# KiCad board first_keyboard.kicad_pcb (continued)
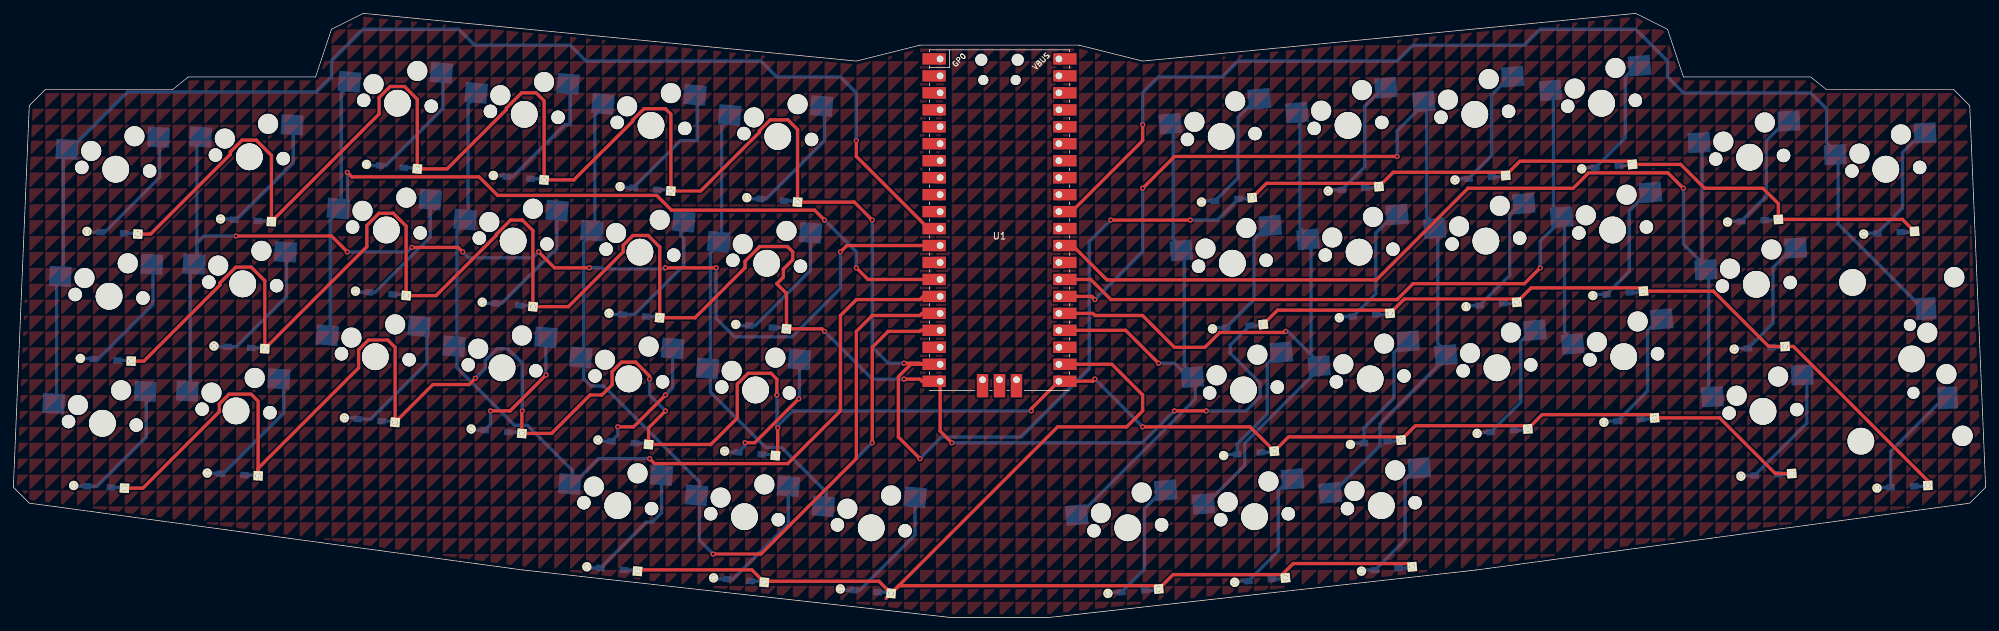
[diagram p0: board, top side]
## Copper pours and planes (outline as drawn; the poured copper is in the pictures) (continued)
(no net) on Top, Bottom: 252.41,-19.05 252.41,-21.43 254.79,-19.05
(no net) on Top, Bottom: 221.46,66.68 221.46,64.29 223.84,66.68
(no net) on Top, Bottom: 154.78,133.35 154.78,130.97 157.16,133.35
(no net) on Top, Bottom: 245.27,7.14 245.27,4.76 247.65,7.14
(no net) on Top, Bottom: 259.56,142.88 259.56,140.49 261.94,142.88
(no net) on Top, Bottom: 154.78,66.68 154.78,64.29 157.16,66.68
(no net) on Top, Bottom: 135.73,128.59 135.73,126.21 138.11,128.59
(no net) on Top, Bottom: 209.55,-26.19 209.55,-28.57 211.93,-26.19
(no net) on Top, Bottom: 166.69,-4.76 166.69,-7.14 169.07,-4.76
(no net) on Top, Bottom: 40.48,26.19 40.48,23.81 42.86,26.19
(no net) on Top, Bottom: 188.12,7.14 188.12,4.76 190.5,7.14
(no net) on Top, Bottom: 154.78,138.11 154.78,135.73 157.16,138.11
(no net) on Top, Bottom: 147.64,121.44 147.64,119.06 150.02,121.44
(no net) on Top, Bottom: 264.32,-11.91 264.32,-14.29 266.7,-11.91
(no net) on Top, Bottom: 140.49,19.05 140.49,16.67 142.88,19.05
(no net) on Top, Bottom: 78.58,-7.14 78.58,-9.53 80.96,-7.14
(no net) on Top, Bottom: 221.46,-26.19 221.46,-28.57 223.84,-26.19
(no net) on Top, Bottom: 247.65,83.34 247.65,80.96 250.03,83.34
(no net) on Top, Bottom: 85.73,26.19 85.73,23.81 88.11,26.19
(no net) on Top, Bottom: 90.49,-19.05 90.49,-21.43 92.87,-19.05
(no net) on Top, Bottom: 133.35,-14.29 133.35,-16.67 135.73,-14.29
(no net) on Top, Bottom: 180.98,135.73 180.98,133.35 183.36,135.73
(no net) on Top, Bottom: 242.89,69.06 242.89,66.68 245.27,69.06
(no net) on Top, Bottom: 247.65,66.68 247.65,64.29 250.03,66.68
(no net) on Top, Bottom: 52.39,140.49 52.39,138.11 54.77,140.49
(no net) on Top, Bottom: 116.68,54.77 116.68,52.39 119.06,54.77
(no net) on Top, Bottom: 102.39,73.82 102.39,71.44 104.77,73.82
(no net) on Top, Bottom: 197.64,59.53 197.64,57.15 200.02,59.53
(no net) on Top, Bottom: 297.66,130.97 297.66,128.59 300.04,130.97
(no net) on Top, Bottom: 176.21,-2.38 176.21,-4.76 178.59,-2.38
(no net) on Top, Bottom: 133.35,97.63 133.35,95.25 135.73,97.63
(no net) on Top, Bottom: 14.29,4.76 14.29,2.38 16.67,4.76
(no net) on Top, Bottom: 50.01,83.34 50.01,80.96 52.39,83.34
(no net) on Top, Bottom: 280.99,7.14 280.99,4.76 283.37,7.14
(no net) on Top, Bottom: 221.46,35.72 221.46,33.34 223.84,35.72
(no net) on Top, Bottom: 178.59,-2.38 178.59,-4.76 180.98,-2.38
(no net) on Top, Bottom: 159.54,109.54 159.54,107.16 161.93,109.54
(no net) on Top, Bottom: 64.29,-19.05 64.29,-21.43 66.67,-19.05
(no net) on Top, Bottom: 180.98,57.15 180.98,54.77 183.36,57.15
(no net) on Top, Bottom: 90.49,-28.57 90.49,-30.96 92.87,-28.57
(no net) on Top, Bottom: 183.36,42.86 183.36,40.48 185.74,42.86
(no net) on Top, Bottom: 61.91,4.76 61.91,2.38 64.29,4.76
(no net) on Top, Bottom: 97.63,147.64 97.63,145.26 100.01,147.64
(no net) on Top, Bottom: 111.92,78.58 111.92,76.2 114.3,78.58
(no net) on Top, Bottom: 42.86,47.62 42.86,45.24 45.24,47.62
(no net) on Top, Bottom: 109.54,21.43 109.54,19.05 111.92,21.43
(no net) on Top, Bottom: 278.61,-11.91 278.61,-14.29 280.99,-11.91
(no net) on Top, Bottom: 157.16,73.82 157.16,71.44 159.54,73.82
(no net) on Top, Bottom: 119.06,52.39 119.06,50.01 121.44,52.39
(no net) on Top, Bottom: 257.18,30.96 257.18,28.57 259.56,30.96
(no net) on Top, Bottom: 64.29,88.11 64.29,85.72 66.67,88.11
(no net) on Top, Bottom: 219.07,92.87 219.07,90.49 221.46,92.87
(no net) on Top, Bottom: 152.4,-9.53 152.4,-11.91 154.78,-9.53
(no net) on Top, Bottom: 257.18,85.72 257.18,83.34 259.56,85.72
(no net) on Top, Bottom: 238.12,123.83 238.12,121.44 240.51,123.83
(no net) on Top, Bottom: 85.73,142.88 85.73,140.49 88.11,142.88
(no net) on Top, Bottom: 261.94,111.92 261.94,109.54 264.32,111.92
(no net) on Top, Bottom: 278.61,-35.72 278.61,-38.1 280.99,-35.72
(no net) on Top, Bottom: 0,95.25 0,92.87 2.38,95.25
(no net) on Top, Bottom: 92.87,145.26 92.87,142.88 95.25,145.26
(no net) on Top, Bottom: 4.76,54.77 4.76,52.39 7.14,54.77
(no net) on Top, Bottom: 130.97,128.59 130.97,126.21 133.35,128.59
(no net) on Top, Bottom: 259.56,45.24 259.56,42.86 261.94,45.24
(no net) on Top, Bottom: 102.39,-21.43 102.39,-23.81 104.77,-21.43
(no net) on Top, Bottom: 147.64,23.81 147.64,21.43 150.02,23.81
(no net) on Top, Bottom: 214.31,61.91 214.31,59.53 216.69,61.91
(no net) on Top, Bottom: 52.39,-30.96 52.39,-33.34 54.77,-30.96
(no net) on Top, Bottom: 235.74,135.73 235.74,133.35 238.12,135.73
(no net) on Top, Bottom: 152.4,138.11 152.4,135.73 154.78,138.11
(no net) on Top, Bottom: 50.01,80.96 50.01,78.58 52.39,80.96
(no net) on Top, Bottom: 180.98,-26.19 180.98,-28.57 183.36,-26.19
(no net) on Top, Bottom: 16.67,71.44 16.67,69.06 19.05,71.44
(no net) on Top, Bottom: 52.39,19.05 52.39,16.67 54.77,19.05
(no net) on Top, Bottom: 204.79,28.57 204.79,26.19 207.17,28.57
(no net) on Top, Bottom: 19.05,97.63 19.05,95.25 21.43,97.63
(no net) on Top, Bottom: 21.43,92.87 21.43,90.49 23.81,92.87
(no net) on Top, Bottom: 102.39,-2.38 102.39,-4.76 104.77,-2.38
(no net) on Top, Bottom: 45.24,142.88 45.24,140.49 47.62,142.88
(no net) on Top, Bottom: 276.22,140.49 276.22,138.11 278.61,140.49
(no net) on Top, Bottom: 73.82,133.35 73.82,130.97 76.2,133.35
(no net) on Top, Bottom: 73.82,69.06 73.82,66.68 76.2,69.06
(no net) on Top, Bottom: 202.41,90.49 202.41,88.11 204.79,90.49
(no net) on Top, Bottom: 111.92,40.48 111.92,38.1 114.3,40.48
(no net) on Top, Bottom: 47.62,2.38 47.62,0 50.01,2.38
(no net) on Top, Bottom: 266.7,138.11 266.7,135.73 269.08,138.11
(no net) on Top, Bottom: 233.36,116.68 233.36,114.3 235.74,116.68
(no net) on Top, Bottom: 278.61,-21.43 278.61,-23.81 280.99,-21.43
(no net) on Top, Bottom: 235.74,38.1 235.74,35.72 238.12,38.1
(no net) on Top, Bottom: 254.79,90.49 254.79,88.11 257.18,90.49
(no net) on Top, Bottom: 192.88,100.01 192.88,97.63 195.26,100.01
(no net) on Top, Bottom: 83.34,-23.81 83.34,-26.19 85.73,-23.81
(no net) on Top, Bottom: 178.59,9.53 178.59,7.14 180.98,9.53
(no net) on Top, Bottom: 300.04,135.73 300.04,133.35 302.42,135.73
(no net) on Top, Bottom: 247.65,69.06 247.65,66.68 250.03,69.06
(no net) on Top, Bottom: 47.62,50.01 47.62,47.62 50.01,50.01
(no net) on Top, Bottom: 121.44,2.38 121.44,0 123.83,2.38
(no net) on Top, Bottom: 304.8,71.44 304.8,69.06 307.18,71.44
(no net) on Top, Bottom: 28.58,52.39 28.58,50.01 30.96,52.39
(no net) on Top, Bottom: 207.17,119.06 207.17,116.68 209.55,119.06
(no net) on Top, Bottom: 257.18,-21.43 257.18,-23.81 259.56,-21.43
(no net) on Top, Bottom: 14.29,-19.05 14.29,-21.43 16.67,-19.05
(no net) on Top, Bottom: 150.02,-16.67 150.02,-19.05 152.4,-16.67
(no net) on Top, Bottom: 104.77,90.49 104.77,88.11 107.16,90.49
(no net) on Top, Bottom: 252.41,54.77 252.41,52.39 254.79,54.77
(no net) on Top, Bottom: 78.58,128.59 78.58,126.21 80.96,128.59
(no net) on Top, Bottom: 90.49,114.3 90.49,111.92 92.87,114.3
(no net) on Top, Bottom: 178.59,126.21 178.59,123.83 180.98,126.21
(no net) on Top, Bottom: 300.04,130.97 300.04,128.59 302.42,130.97
(no net) on Top, Bottom: 204.79,-35.72 204.79,-38.1 207.17,-35.72
(no net) on Top, Bottom: 152.4,59.53 152.4,57.15 154.78,59.53
(no net) on Top, Bottom: 245.27,21.43 245.27,19.05 247.65,21.43
(no net) on Top, Bottom: 145.26,-26.19 145.26,-28.57 147.64,-26.19
(no net) on Top, Bottom: 259.56,107.16 259.56,104.78 261.94,107.16
(no net) on Top, Bottom: 188.12,64.29 188.12,61.91 190.5,64.29
(no net) on Top, Bottom: 80.96,38.1 80.96,35.72 83.34,38.1
(no net) on Top, Bottom: 123.83,50.01 123.83,47.62 126.21,50.01
(no net) on Top, Bottom: 280.99,40.48 280.99,38.1 283.37,40.48
(no net) on Top, Bottom: 104.77,150.02 104.77,147.64 107.16,150.02
(no net) on Top, Bottom: 76.2,33.34 76.2,30.96 78.58,33.34
(no net) on Top, Bottom: 159.54,7.14 159.54,4.76 161.93,7.14
(no net) on Top, Bottom: 16.67,2.38 16.67,0 19.05,2.38
(no net) on Top, Bottom: 69.06,2.38 69.06,0 71.44,2.38
(no net) on Top, Bottom: 95.25,97.63 95.25,95.25 97.63,97.63
(no net) on Top, Bottom: 11.91,-30.96 11.91,-33.34 14.29,-30.96
(no net) on Top, Bottom: 23.81,90.49 23.81,88.11 26.19,90.49
(no net) on Top, Bottom: 119.06,121.44 119.06,119.06 121.44,121.44
(no net) on Top, Bottom: 38.1,2.38 38.1,0 40.48,2.38
(no net) on Top, Bottom: 104.77,23.81 104.77,21.43 107.16,23.81
(no net) on Top, Bottom: 290.51,114.3 290.51,111.92 292.89,114.3
(no net) on Top, Bottom: 83.34,42.86 83.34,40.48 85.73,42.86
(no net) on Top, Bottom: 233.36,38.1 233.36,35.72 235.74,38.1
(no net) on Top, Bottom: 52.39,42.86 52.39,40.48 54.77,42.86
(no net) on Top, Bottom: 228.6,121.44 228.6,119.06 230.98,121.44
(no net) on Top, Bottom: 154.78,126.21 154.78,123.83 157.16,126.21
(no net) on Top, Bottom: 197.64,114.3 197.64,111.92 200.02,114.3
(no net) on Top, Bottom: 264.32,128.59 264.32,126.21 266.7,128.59
(no net) on Top, Bottom: 0,-11.91 0,-14.29 2.38,-11.91
(no net) on Top, Bottom: 38.1,64.29 38.1,61.91 40.48,64.29
(no net) on Top, Bottom: 223.84,-26.19 223.84,-28.57 226.22,-26.19
(no net) on Top, Bottom: 95.25,140.49 95.25,138.11 97.63,140.49
(no net) on Top, Bottom: 226.22,71.44 226.22,69.06 228.6,71.44
(no net) on Top, Bottom: 26.19,69.06 26.19,66.68 28.58,69.06
(no net) on Top, Bottom: 209.55,145.26 209.55,142.88 211.93,145.26
(no net) on Top, Bottom: 71.44,130.97 71.44,128.59 73.82,130.97
(no net) on Top, Bottom: 204.79,19.05 204.79,16.67 207.17,19.05
(no net) on Top, Bottom: 280.99,85.72 280.99,83.34 283.37,85.72
(no net) on Top, Bottom: 71.44,109.54 71.44,107.16 73.82,109.54
(no net) on Top, Bottom: 128.59,-2.38 128.59,-4.76 130.97,-2.38
(no net) on Top, Bottom: 73.82,150.02 73.82,147.64 76.2,150.02
(no net) on Top, Bottom: 273.84,4.76 273.84,2.38 276.22,4.76
(no net) on Top, Bottom: 219.07,-21.43 219.07,-23.81 221.46,-21.43
(no net) on Top, Bottom: 173.83,33.34 173.83,30.96 176.21,33.34
(no net) on Top, Bottom: 130.97,21.43 130.97,19.05 133.35,21.43
(no net) on Top, Bottom: 283.37,-28.57 283.37,-30.96 285.75,-28.57
(no net) on Top, Bottom: 245.27,123.83 245.27,121.44 247.65,123.83
(no net) on Top, Bottom: 223.84,33.34 223.84,30.96 226.22,33.34
(no net) on Top, Bottom: 52.39,50.01 52.39,47.62 54.77,50.01
(no net) on Top, Bottom: 283.37,114.3 283.37,111.92 285.75,114.3
(no net) on Top, Bottom: 107.16,40.48 107.16,38.1 109.54,40.48
(no net) on Top, Bottom: 171.45,100.01 171.45,97.63 173.83,100.01
(no net) on Top, Bottom: 252.41,26.19 252.41,23.81 254.79,26.19
(no net) on Top, Bottom: 133.35,2.38 133.35,0 135.73,2.38
(no net) on Top, Bottom: 102.39,123.83 102.39,121.44 104.77,123.83
(no net) on Top, Bottom: 119.06,0 119.06,-2.38 121.44,0
(no net) on Top, Bottom: 219.07,11.91 219.07,9.53 221.46,11.91
(no net) on Top, Bottom: 176.21,-35.72 176.21,-38.1 178.59,-35.72
(no net) on Top, Bottom: 288.13,-35.72 288.13,-38.1 290.51,-35.72
(no net) on Top, Bottom: 4.76,-7.14 4.76,-9.53 7.14,-7.14
(no net) on Top, Bottom: 23.81,-21.43 23.81,-23.81 26.19,-21.43
(no net) on Top, Bottom: 71.44,107.16 71.44,104.78 73.82,107.16
(no net) on Top, Bottom: 238.12,135.73 238.12,133.35 240.51,135.73
(no net) on Top, Bottom: 116.68,42.86 116.68,40.48 119.06,42.86
(no net) on Top, Bottom: 247.65,42.86 247.65,40.48 250.03,42.86
(no net) on Top, Bottom: 0,71.44 0,69.06 2.38,71.44
(no net) on Top, Bottom: 302.42,19.05 302.42,16.67 304.8,19.05
(no net) on Top, Bottom: 154.78,116.68 154.78,114.3 157.16,116.68
(no net) on Top, Bottom: 233.36,11.91 233.36,9.53 235.74,11.91
(no net) on Top, Bottom: 280.99,100.01 280.99,97.63 283.37,100.01
(no net) on Top, Bottom: 209.55,9.53 209.55,7.14 211.93,9.53
(no net) on Top, Bottom: 61.91,150.02 61.91,147.64 64.29,150.02
(no net) on Top, Bottom: 292.89,-35.72 292.89,-38.1 295.27,-35.72
(no net) on Top, Bottom: 171.45,119.06 171.45,116.68 173.83,119.06
(no net) on Top, Bottom: 288.13,142.88 288.13,140.49 290.51,142.88
(no net) on Top, Bottom: 259.56,90.49 259.56,88.11 261.94,90.49
(no net) on Top, Bottom: 223.84,54.77 223.84,52.39 226.22,54.77
(no net) on Top, Bottom: 85.73,133.35 85.73,130.97 88.11,133.35
(no net) on Top, Bottom: 102.39,33.34 102.39,30.96 104.77,33.34
(no net) on Top, Bottom: 223.84,109.54 223.84,107.16 226.22,109.54
(no net) on Top, Bottom: 90.49,147.64 90.49,145.26 92.87,147.64
(no net) on Top, Bottom: 295.27,16.67 295.27,14.29 297.66,16.67
(no net) on Top, Bottom: 192.88,57.15 192.88,54.77 195.26,57.15
(no net) on Top, Bottom: 292.89,4.76 292.89,2.38 295.27,4.76
(no net) on Top, Bottom: 54.77,100.01 54.77,97.63 57.15,100.01
(no net) on Top, Bottom: 233.36,73.82 233.36,71.44 235.74,73.82
(no net) on Top, Bottom: 214.31,59.53 214.31,57.15 216.69,59.53
(no net) on Top, Bottom: 2.38,11.91 2.38,9.53 4.76,11.91
(no net) on Top, Bottom: 2.38,-16.67 2.38,-19.05 4.76,-16.67
(no net) on Top, Bottom: 285.75,126.21 285.75,123.83 288.13,126.21
(no net) on Top, Bottom: 111.92,135.73 111.92,133.35 114.3,135.73
(no net) on Top, Bottom: 266.7,19.05 266.7,16.67 269.08,19.05
(no net) on Top, Bottom: 42.86,-4.76 42.86,-7.14 45.24,-4.76
(no net) on Top, Bottom: 161.93,0 161.93,-2.38 164.31,0
(no net) on Top, Bottom: 142.88,128.59 142.88,126.21 145.26,128.59
(no net) on Top, Bottom: 204.79,88.11 204.79,85.72 207.17,88.11
(no net) on Top, Bottom: 200.02,85.72 200.02,83.34 202.41,85.72
(no net) on Top, Bottom: 259.56,147.64 259.56,145.26 261.94,147.64
(no net) on Top, Bottom: 188.12,92.87 188.12,90.49 190.5,92.87
(no net) on Top, Bottom: 11.91,-16.67 11.91,-19.05 14.29,-16.67
(no net) on Top, Bottom: 233.36,-38.1 233.36,-40.48 235.74,-38.1
(no net) on Top, Bottom: 266.7,80.96 266.7,78.58 269.08,80.96
(no net) on Top, Bottom: 28.58,26.19 28.58,23.81 30.96,26.19
(no net) on Top, Bottom: 28.58,-11.91 28.58,-14.29 30.96,-11.91
(no net) on Top, Bottom: 257.18,11.91 257.18,9.53 259.56,11.91
(no net) on Top, Bottom: 57.15,30.96 57.15,28.57 59.53,30.96
(no net) on Top, Bottom: 76.2,121.44 76.2,119.06 78.58,121.44
(no net) on Top, Bottom: 0,-14.29 0,-16.67 2.38,-14.29
(no net) on Top, Bottom: 288.13,-4.76 288.13,-7.14 290.51,-4.76
(no net) on Top, Bottom: 109.54,16.67 109.54,14.29 111.92,16.67
(no net) on Top, Bottom: 240.51,147.64 240.51,145.26 242.89,147.64
(no net) on Top, Bottom: 247.65,11.91 247.65,9.53 250.03,11.91
(no net) on Top, Bottom: 35.72,-35.72 35.72,-38.1 38.1,-35.72
(no net) on Top, Bottom: 45.24,64.29 45.24,61.91 47.62,64.29
(no net) on Top, Bottom: 169.07,92.87 169.07,90.49 171.45,92.87
(no net) on Top, Bottom: 211.93,14.29 211.93,11.91 214.31,14.29
(no net) on Top, Bottom: 92.87,7.14 92.87,4.76 95.25,7.14
(no net) on Top, Bottom: 104.77,-19.05 104.77,-21.43 107.16,-19.05
(no net) on Top, Bottom: 264.32,111.92 264.32,109.54 266.7,111.92
(no net) on Top, Bottom: 130.97,64.29 130.97,61.91 133.35,64.29
(no net) on Top, Bottom: 59.53,114.3 59.53,111.92 61.91,114.3
(no net) on Top, Bottom: 290.51,142.88 290.51,140.49 292.89,142.88
(no net) on Top, Bottom: 161.93,76.2 161.93,73.82 164.31,76.2
(no net) on Top, Bottom: 233.36,80.96 233.36,78.58 235.74,80.96
(no net) on Top, Bottom: 211.93,59.53 211.93,57.15 214.31,59.53
(no net) on Top, Bottom: 273.84,42.86 273.84,40.48 276.22,42.86
(no net) on Top, Bottom: 235.74,7.14 235.74,4.76 238.12,7.14
(no net) on Top, Bottom: 28.58,114.3 28.58,111.92 30.96,114.3
(no net) on Top, Bottom: 66.67,92.87 66.67,90.49 69.06,92.87
(no net) on Top, Bottom: 76.2,-30.96 76.2,-33.34 78.58,-30.96
(no net) on Top, Bottom: 23.81,111.92 23.81,109.54 26.19,111.92
(no net) on Top, Bottom: 159.54,135.73 159.54,133.35 161.93,135.73
(no net) on Top, Bottom: 35.72,45.24 35.72,42.86 38.1,45.24
(no net) on Top, Bottom: 159.54,47.62 159.54,45.24 161.93,47.62
(no net) on Top, Bottom: 133.35,14.29 133.35,11.91 135.73,14.29
(no net) on Top, Bottom: 250.03,54.77 250.03,52.39 252.41,54.77
(no net) on Top, Bottom: 19.05,7.14 19.05,4.76 21.43,7.14
(no net) on Top, Bottom: 47.62,-28.57 47.62,-30.96 50.01,-28.57
(no net) on Top, Bottom: 235.74,126.21 235.74,123.83 238.12,126.21
(no net) on Top, Bottom: 128.59,-16.67 128.59,-19.05 130.97,-16.67
(no net) on Top, Bottom: 145.26,30.96 145.26,28.57 147.64,30.96
(no net) on Top, Bottom: 90.49,102.39 90.49,100.01 92.87,102.39
(no net) on Top, Bottom: 233.36,0 233.36,-2.38 235.74,0
(no net) on Top, Bottom: 257.18,69.06 257.18,66.68 259.56,69.06
(no net) on Top, Bottom: 238.12,85.72 238.12,83.34 240.51,85.72
(no net) on Top, Bottom: 23.81,61.91 23.81,59.53 26.19,61.91
(no net) on Top, Bottom: 297.66,54.77 297.66,52.39 300.04,54.77
(no net) on Top, Bottom: 171.45,28.57 171.45,26.19 173.83,28.57
(no net) on Top, Bottom: 304.8,-14.29 304.8,-16.67 307.18,-14.29
(no net) on Top, Bottom: 35.72,16.67 35.72,14.29 38.1,16.67
(no net) on Top, Bottom: 64.29,21.43 64.29,19.05 66.67,21.43
(no net) on Top, Bottom: 85.73,57.15 85.73,54.77 88.11,57.15
(no net) on Top, Bottom: 178.59,-35.72 178.59,-38.1 180.98,-35.72
(no net) on Top, Bottom: 161.93,-23.81 161.93,-26.19 164.31,-23.81
(no net) on Top, Bottom: 245.27,73.82 245.27,71.44 247.65,73.82
(no net) on Top, Bottom: 50.01,38.1 50.01,35.72 52.39,38.1
(no net) on Top, Bottom: 273.84,45.24 273.84,42.86 276.22,45.24
(no net) on Top, Bottom: 233.36,123.83 233.36,121.44 235.74,123.83
(no net) on Top, Bottom: 42.86,-16.67 42.86,-19.05 45.24,-16.67
(no net) on Top, Bottom: 211.93,61.91 211.93,59.53 214.31,61.91
(no net) on Top, Bottom: 266.7,61.91 266.7,59.53 269.08,61.91
(no net) on Top, Bottom: 261.94,128.59 261.94,126.21 264.32,128.59
(no net) on Top, Bottom: 116.68,-2.38 116.68,-4.76 119.06,-2.38
(no net) on Top, Bottom: 142.88,107.16 142.88,104.78 145.26,107.16
(no net) on Top, Bottom: 300.04,80.96 300.04,78.58 302.42,80.96
(no net) on Top, Bottom: 226.22,11.91 226.22,9.53 228.6,11.91
(no net) on Top, Bottom: 83.34,21.43 83.34,19.05 85.73,21.43
(no net) on Top, Bottom: 235.74,-23.81 235.74,-26.19 238.12,-23.81
(no net) on Top, Bottom: 245.27,40.48 245.27,38.1 247.65,40.48
(no net) on Top, Bottom: 209.55,95.25 209.55,92.87 211.93,95.25
(no net) on Top, Bottom: 185.74,111.92 185.74,109.54 188.12,111.92
(no net) on Top, Bottom: 109.54,97.63 109.54,95.25 111.92,97.63
(no net) on Top, Bottom: 240.51,23.81 240.51,21.43 242.89,23.81
(no net) on Top, Bottom: 128.59,92.87 128.59,90.49 130.97,92.87
(no net) on Top, Bottom: 50.01,0 50.01,-2.38 52.39,0
(no net) on Top, Bottom: 302.42,59.53 302.42,57.15 304.8,59.53
(no net) on Top, Bottom: 202.41,52.39 202.41,50.01 204.79,52.39
(no net) on Top, Bottom: 285.75,-11.91 285.75,-14.29 288.13,-11.91
(no net) on Top, Bottom: 57.15,42.86 57.15,40.48 59.53,42.86
(no net) on Top, Bottom: 166.69,128.59 166.69,126.21 169.07,128.59
(no net) on Top, Bottom: 121.44,78.58 121.44,76.2 123.83,78.58
(no net) on Top, Bottom: 247.65,57.15 247.65,54.77 250.03,57.15
(no net) on Top, Bottom: 142.88,2.38 142.88,0 145.26,2.38
(no net) on Top, Bottom: 140.49,102.39 140.49,100.01 142.88,102.39
(no net) on Top, Bottom: 150.02,57.15 150.02,54.77 152.4,57.15
(no net) on Top, Bottom: 100.01,-16.67 100.01,-19.05 102.39,-16.67
(no net) on Top, Bottom: 30.96,-19.05 30.96,-21.43 33.34,-19.05
(no net) on Top, Bottom: 235.74,-19.05 235.74,-21.43 238.12,-19.05
(no net) on Top, Bottom: 257.18,-26.19 257.18,-28.57 259.56,-26.19
(no net) on Top, Bottom: 0,38.1 0,35.72 2.38,38.1
(no net) on Top, Bottom: 59.53,107.16 59.53,104.78 61.91,107.16
(no net) on Top, Bottom: 161.93,-21.43 161.93,-23.81 164.31,-21.43
(no net) on Top, Bottom: 200.02,14.29 200.02,11.91 202.41,14.29
(no net) on Top, Bottom: 83.34,-4.76 83.34,-7.14 85.73,-4.76
(no net) on Top, Bottom: 278.61,123.83 278.61,121.44 280.99,123.83
(no net) on Top, Bottom: 50.01,61.91 50.01,59.53 52.39,61.91
(no net) on Top, Bottom: 123.83,38.1 123.83,35.72 126.21,38.1
(no net) on Top, Bottom: 76.2,100.01 76.2,97.63 78.58,100.01
(no net) on Top, Bottom: 121.44,150.02 121.44,147.64 123.83,150.02
(no net) on Top, Bottom: 271.46,21.43 271.46,19.05 273.84,21.43
(no net) on Top, Bottom: 28.58,4.76 28.58,2.38 30.96,4.76
(no net) on Top, Bottom: 204.79,102.39 204.79,100.01 207.17,102.39
(no net) on Top, Bottom: 195.26,76.2 195.26,73.82 197.64,76.2
(no net) on Top, Bottom: 66.67,140.49 66.67,138.11 69.06,140.49
(no net) on Top, Bottom: 226.22,35.72 226.22,33.34 228.6,35.72
(no net) on Top, Bottom: 214.31,123.83 214.31,121.44 216.69,123.83
(no net) on Top, Bottom: 111.92,-21.43 111.92,-23.81 114.3,-21.43
(no net) on Top, Bottom: 78.58,-2.38 78.58,-4.76 80.96,-2.38
(no net) on Top, Bottom: 121.44,147.64 121.44,145.26 123.83,147.64
(no net) on Top, Bottom: 102.39,126.21 102.39,123.83 104.77,126.21
(no net) on Top, Bottom: 207.17,7.14 207.17,4.76 209.55,7.14
(no net) on Top, Bottom: 261.94,83.34 261.94,80.96 264.32,83.34
(no net) on Top, Bottom: 142.88,83.34 142.88,80.96 145.26,83.34
(no net) on Top, Bottom: 61.91,76.2 61.91,73.82 64.29,76.2
(no net) on Top, Bottom: 211.93,80.96 211.93,78.58 214.31,80.96
(no net) on Top, Bottom: 80.96,95.25 80.96,92.87 83.34,95.25
(no net) on Top, Bottom: 159.54,26.19 159.54,23.81 161.93,26.19
(no net) on Top, Bottom: 71.44,85.72 71.44,83.34 73.82,85.72
(no net) on Top, Bottom: 14.29,100.01 14.29,97.63 16.67,100.01
(no net) on Top, Bottom: 38.1,107.16 38.1,104.78 40.48,107.16
(no net) on Top, Bottom: 47.62,-11.91 47.62,-14.29 50.01,-11.91
(no net) on Top, Bottom: 26.19,71.44 26.19,69.06 28.58,71.44
(no net) on Top, Bottom: 276.22,26.19 276.22,23.81 278.61,26.19
(no net) on Top, Bottom: 150.02,102.39 150.02,100.01 152.4,102.39
(no net) on Top, Bottom: 304.8,85.72 304.8,83.34 307.18,85.72
(no net) on Top, Bottom: 278.61,-9.53 278.61,-11.91 280.99,-9.53
(no net) on Top, Bottom: 183.36,-28.57 183.36,-30.96 185.74,-28.57
(no net) on Top, Bottom: 76.2,130.97 76.2,128.59 78.58,130.97
(no net) on Top, Bottom: 297.66,73.82 297.66,71.44 300.04,73.82
(no net) on Top, Bottom: 157.16,114.3 157.16,111.92 159.54,114.3
(no net) on Top, Bottom: 9.53,-2.38 9.53,-4.76 11.91,-2.38
(no net) on Top, Bottom: 26.19,-33.34 26.19,-35.72 28.58,-33.34
(no net) on Top, Bottom: 269.08,85.72 269.08,83.34 271.46,85.72
(no net) on Top, Bottom: 180.98,-4.76 180.98,-7.14 183.36,-4.76
(no net) on Top, Bottom: 285.75,145.26 285.75,142.88 288.13,145.26
(no net) on Top, Bottom: 11.91,78.58 11.91,76.2 14.29,78.58
(no net) on Top, Bottom: 285.75,-38.1 285.75,-40.48 288.13,-38.1
(no net) on Top, Bottom: 295.27,42.86 295.27,40.48 297.66,42.86
(no net) on Top, Bottom: 230.98,104.78 230.98,102.39 233.36,104.78
(no net) on Top, Bottom: 195.26,21.43 195.26,19.05 197.64,21.43
(no net) on Top, Bottom: 111.92,-4.76 111.92,-7.14 114.3,-4.76
(no net) on Top, Bottom: 240.51,-7.14 240.51,-9.53 242.89,-7.14
(no net) on Top, Bottom: 78.58,97.63 78.58,95.25 80.96,97.63
(no net) on Top, Bottom: 90.49,-38.1 90.49,-40.48 92.87,-38.1
(no net) on Top, Bottom: 228.6,114.3 228.6,111.92 230.98,114.3
(no net) on Top, Bottom: 195.26,-30.96 195.26,-33.34 197.64,-30.96
(no net) on Top, Bottom: 190.5,59.53 190.5,57.15 192.88,59.53
(no net) on Top, Bottom: 147.64,-33.34 147.64,-35.72 150.02,-33.34
(no net) on Top, Bottom: 133.35,28.57 133.35,26.19 135.73,28.57
(no net) on Top, Bottom: 235.74,26.19 235.74,23.81 238.12,26.19
(no net) on Top, Bottom: 302.42,92.87 302.42,90.49 304.8,92.87
(no net) on Top, Bottom: 285.75,30.96 285.75,28.57 288.13,30.96
(no net) on Top, Bottom: 30.96,126.21 30.96,123.83 33.34,126.21
(no net) on Top, Bottom: 254.79,107.16 254.79,104.78 257.18,107.16
(no net) on Top, Bottom: 52.39,73.82 52.39,71.44 54.77,73.82
(no net) on Top, Bottom: 200.02,19.05 200.02,16.67 202.41,19.05
(no net) on Top, Bottom: 47.62,7.14 47.62,4.76 50.01,7.14
(no net) on Top, Bottom: 252.41,92.87 252.41,90.49 254.79,92.87
(no net) on Top, Bottom: 188.12,-14.29 188.12,-16.67 190.5,-14.29
(no net) on Top, Bottom: 100.01,126.21 100.01,123.83 102.39,126.21
(no net) on Top, Bottom: 52.39,47.62 52.39,45.24 54.77,47.62
(no net) on Top, Bottom: 133.35,-11.91 133.35,-14.29 135.73,-11.91
(no net) on Top, Bottom: 166.69,109.54 166.69,107.16 169.07,109.54
(no net) on Top, Bottom: 90.49,83.34 90.49,80.96 92.87,83.34
(no net) on Top, Bottom: 30.96,26.19 30.96,23.81 33.34,26.19
(no net) on Top, Bottom: 28.58,-35.72 28.58,-38.1 30.96,-35.72
(no net) on Top, Bottom: 261.94,40.48 261.94,38.1 264.32,40.48
(no net) on Top, Bottom: 264.32,73.82 264.32,71.44 266.7,73.82
(no net) on Top, Bottom: 78.58,95.25 78.58,92.87 80.96,95.25
(no net) on Top, Bottom: 40.48,0 40.48,-2.38 42.86,0
(no net) on Top, Bottom: 159.54,147.64 159.54,145.26 161.93,147.64
(no net) on Top, Bottom: 185.74,28.57 185.74,26.19 188.12,28.57
(no net) on Top, Bottom: 154.78,119.06 154.78,116.68 157.16,119.06
(no net) on Top, Bottom: 152.4,116.68 152.4,114.3 154.78,116.68
(no net) on Top, Bottom: 257.18,21.43 257.18,19.05 259.56,21.43
(no net) on Top, Bottom: 111.92,142.88 111.92,140.49 114.3,142.88
(no net) on Top, Bottom: 169.07,-4.76 169.07,-7.14 171.45,-4.76
(no net) on Top, Bottom: 42.86,-23.81 42.86,-26.19 45.24,-23.81
(no net) on Top, Bottom: 90.49,111.92 90.49,109.54 92.87,111.92
(no net) on Top, Bottom: 269.08,-35.72 269.08,-38.1 271.46,-35.72
(no net) on Top, Bottom: 214.31,4.76 214.31,2.38 216.69,4.76
(no net) on Top, Bottom: 9.53,7.14 9.53,4.76 11.91,7.14
(no net) on Top, Bottom: 2.38,61.91 2.38,59.53 4.76,61.91
(no net) on Top, Bottom: 57.15,102.39 57.15,100.01 59.53,102.39
(no net) on Top, Bottom: 238.12,2.38 238.12,0 240.51,2.38
